# Altium PCB batt_ctrl_pcb_v2.PcbDoc
Units mm, origin at the board's own origin, x right, y up, seen from the top; angles counter-clockwise.
Board outline 70 x 60 mm, 2 copper layers (Top Layer, Bottom Layer); 100 components, 90 nets, 317 pads, 129 vias.
Unrouted connection lines stored in the file: 2.
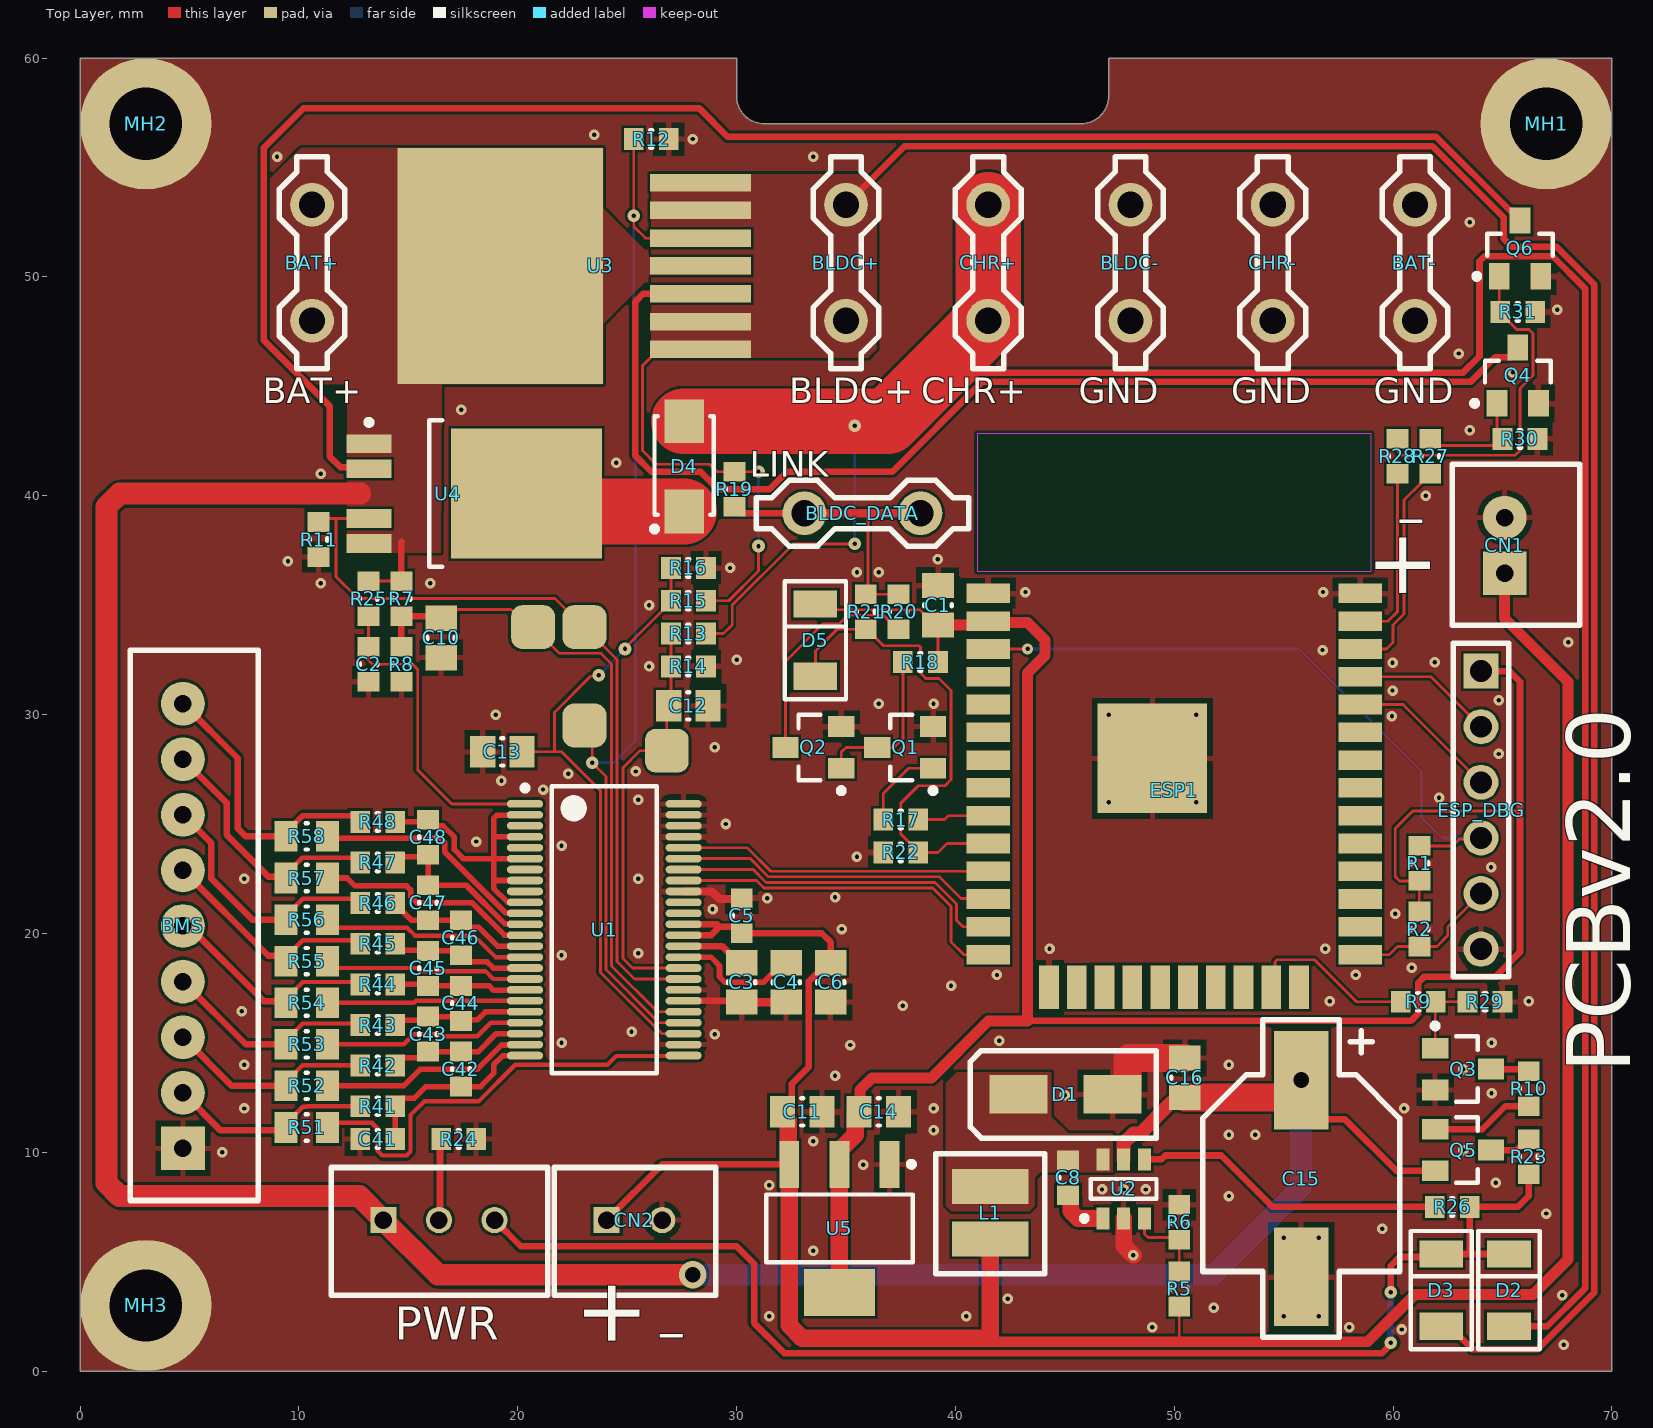
[diagram p0: Top Layer view]
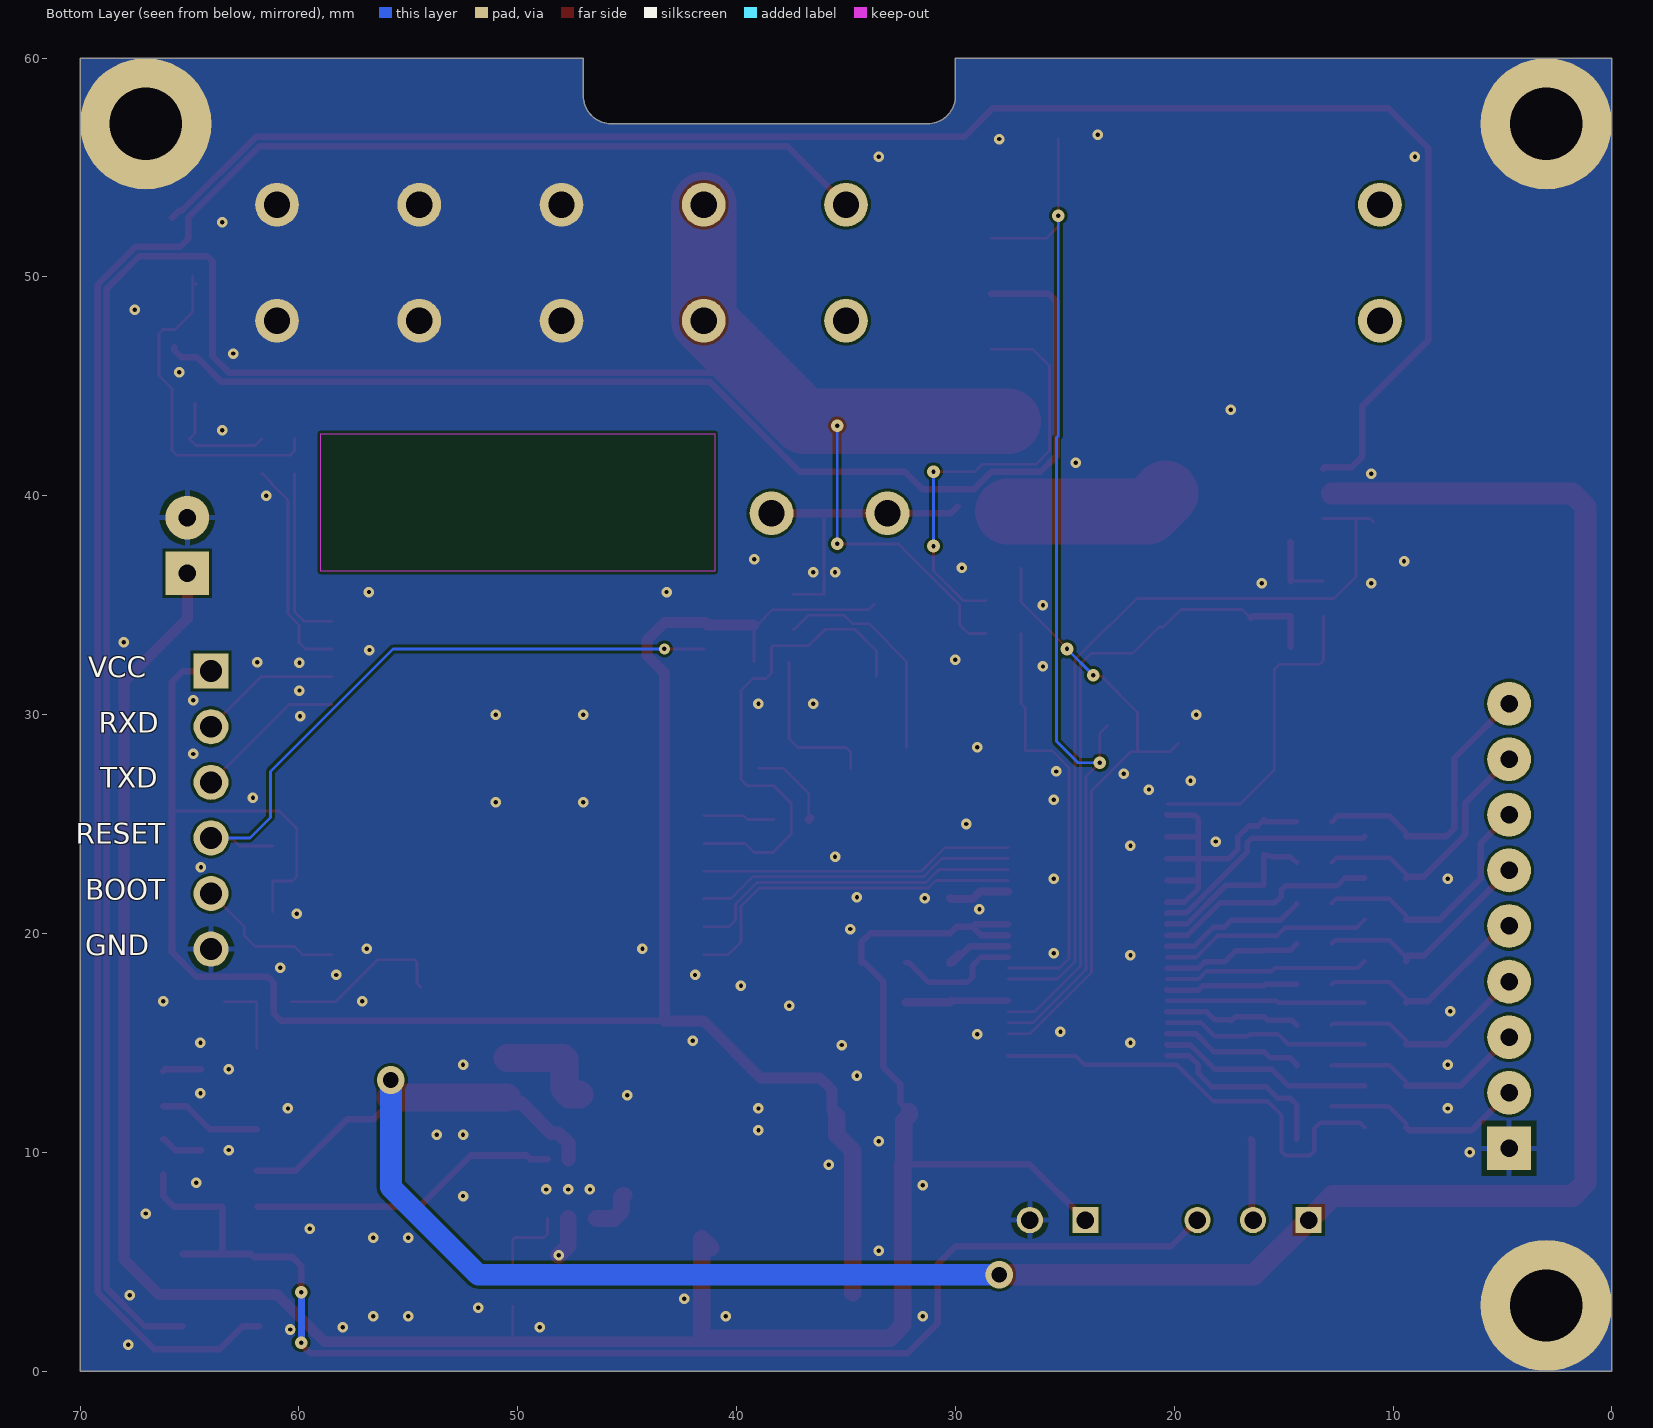
[diagram p1: Bottom Layer view, seen from below]

## Layer stack, top to bottom
Top Solder: solder mask 0.0102, Solder Resist, Dk 3.5
Top Layer: signal copper 0.0356
Dielectric 1: dielectric 0.32, FR-4, Dk 4.8
Bottom Layer: signal copper 0.0356
Bottom Solder: solder mask 0.0102, Solder Resist, Dk 3.5

## Board outline
0,0 0,60 30,60 30,58.27 ccw(c31.27,58.27) 31.27,57 45.73,57 ccw(c45.73,58.27) 47,58.27 47,60 70,60 70,0

## Design rules (kind name [scope] priority, off if disabled: settings)
Clearance [All] p1: gap=0.127 ignorepadtopadclearanceinfootprint=FALSE
DiffPairsRouting [All] p1: maxlimit=0.254 minlimit=0.127 mostfreqgap=0.254 toplayer_minwidth=0.127 toplayer_maxwidth=0.381 toplayer_prefwidth=0.381 bottomlayer_minwidth=0.127 bottomlayer_maxwidth=0.381 bottomlayer_prefwidth=0.381 maxuncoupledlength=12.7
HoleSize [All] p1: absolutevalues=TRUE maxlimit=6.3 minlimit=0.2 maxpercent=80.000 minpercent=20.000
HoleToHoleClearance [All] p1: gap=0.25 allowstackedmicrovias=TRUE
MinimumAnnularRing [All] p1: minimumring=0.13
MinimumSolderMaskSliver [All] p1: minsoldermaskwidth=0.05
PlaneClearance [All] p1: clearance=0.3
PlaneConnect Direct [IsVia] p1: planeconnectstyle=Direct reliefexpansion=0.508 reliefentries=4 reliefconductorwidth=0.254 reliefairgap=0.254
PlaneConnect [All] p2: planeconnectstyle=Relief reliefexpansion=0.508 reliefentries=4 reliefconductorwidth=0.254 reliefairgap=0.254
PolygonConnect DirectPolygonConnect [InNetClass('Direct') or IsVia or (CompParameterValue('ClassName')='DirectGND')] p1: connectstyle=Direct reliefconductorwidth=0.254 reliefentries=4 polygonreliefangle="90 Angle" airgapwidth=0.254
PolygonConnect Mainrule [All] p2: connectstyle=Relief reliefconductorwidth=0.254 reliefentries=4 polygonreliefangle="90 Angle" airgapwidth=0.254
RoutingVias [All] p1: holewidth=0.3 width=0.9 viastyle="Through Hole" minholewidth=0.2 minwidth=0.58 maxholewidth=6.3 maxwidth=8
SilkToSilkClearance [All] p1: silktosilkclearance=0.2
SilkToSolderMaskClearance [IsPad] p1: minsilkscreentomaskgap=0.15 clearancetoexposedcopper=TRUE
SolderMaskExpansion [All] p1: expansion=0.05 istentingtop=FALSE
UnRoutedNet [All] p1: checkbadconnections=TRUE
Width [All] p1: maxlimit=5 minlimit=0.127 preferedwidth=0.3
21 further rules are at their usual default settings.

## Classes and differential pairs
component class interface: BLDC_DATA D5 Q1 Q2 R17 R18 R19 R20 R21 R22
net class Direct: BATT_POS BLDC_POS BS CHR_POS SW
component class U_ME3116_5V: C8 D1 L1 R5 R6 U2
component class Power: BAT+ BAT- BLDC+ BLDC- C1 C10 C11 C12 C13 C14 C15 C16 CHR+ CHR- CN1 CN2 D2 D3 D4 MH1 MH2 MH3 PWR Q3 Q4 Q5 Q6 R7 R8 R9 R10 R11 R12 R13 R14 R15 R16 R23 R24 R25 R26 R27 R28 R29 R30 R31 U3 U4 U5
component class BMS: BMS C2 C3 C4 C5 C6 C41 C42 C43 C44 C45 C46 C47 C48 R41 R42 R43 R44 R45 R46 R47 R48 R51 R52 R53 R54 R55 R56 R57 R58 U1
component class U_ESP32_WROOM2: ESP1 ESP_DBG R1 R2

## Components (designator, comment, footprint, x,y, rotation, side; value= is the part's Value field where it differs from the comment)
BAT+ "Crimp 6.3 single PCB" "Crimp 6.3mm single PCB" 10,45.8 r0 top
BAT- "Crimp 6.3 single PCB" "Crimp 6.3mm single PCB" 61.6,55.5 r180 top
BLDC+ "Crimp 6.3 single PCB" "Crimp 6.3mm single PCB" 34.4,45.8 r0 top
BLDC- "Crimp 6.3 single PCB" "Crimp 6.3mm single PCB" 48.6,55.5 r180 top
BLDC_DATA "Crimp 6.3 single PCB" "Crimp 6.3mm single PCB" 40.6,38.6 r90 top
BMS "PIN HEADER 1x9" "XH2.54 9P" 4.7,10.18 r180 top
C1 "6u8" CAPC0805(2012)75_N 39.2,35 r90 top
C2 "100n" CAPC0603(1608)55_N 13.184,32.3 r270 top
C3 "6u8" CAPC0805(2012)75_N 30.236,17.76 r270 top
C4 "6u8" CAPC0805(2012)75_N 32.268,17.76 r270 top
C5 "100n" CAPC0603(1608)55_N 30.236,20.808 r90 top
C6 "6u8" CAPC0805(2012)75_N 34.3,17.76 r270 top
C8 "100n" CAPC0603(1608)55_N 45.148,8.834 r90 top (schematic designator C1)
C10 "100n" CAPC0805(2012)75_N 16.5,33.5 r270 top
C11 "6u8" CAPC0805(2012)75_N 33,11.85 r0 top
C12 "100n" CAPC0805(2012)75_N 27.8,30.4 r0 top
C13 "100n" CAPC0805(2012)75_N 19.3,28.3 r180 top
C14 "6u8" CAPC0805(2012)75_N 36.5,11.85 r0 top
C15 "220uF 35V" "10X10.5 CAPACITOR" 55.8,13.3 r270 top
C16 "6u8" CAPC0805(2012)75_N 50.482,13.406 r270 top
C41 "100n" CAPC0603(1608)55_N 13.6,10.6 r180 top
C42 "100n" CAPC0603(1608)55_N 17.4,13.8 r270 top
C43 "100n" CAPC0603(1608)55_N 15.9,15.4 r270 top
C44 "100n" CAPC0603(1608)55_N 17.4,16.8 r270 top
C45 "100n" CAPC0603(1608)55_N 15.9,18.4 r270 top
C46 "100n" CAPC0603(1608)55_N 17.4,19.8 r270 top
C47 "100n" CAPC0603(1608)55_N 15.9,21.4 r270 top
C48 "100n" CAPC0603(1608)55_N 15.9,24.4 r270 top
CHR+ "Crimp 6.3 single PCB" "Crimp 6.3mm single PCB" 40.9,45.8 r0 top
CHR- "Crimp 6.3 single PCB" "Crimp 6.3mm single PCB" 55.1,55.5 r180 top
CN1 "PIN HEADER 1x2" "XH2.54 2P"#1 65.1,36.46 r180 top
CN2 "PIN HEADER 1x2" "XH2.54 2P"#2 24.06,6.9 r90 top
D1 "SS14" SMA 47.18,12.644 r180 top
D2 "1N4148" SOD80 65.3,3.7 r90 top
D3 "1N4148" SOD80 62.2,3.7 r90 top
D4 "SS56" SMAG 27.6,39.28 r90 top
D5 "1N4148" SOD80 33.6,33.4 r90 top
ESP1 "ESP32" ESP32-WROOM 41.5,35.54 r0 top locked
ESP_DBG "PIN HEADER 1x6" "PIN HEADER SINGLE 6" 64.018,31.984 r0 top locked
L1 "4u7" CD32 41.592,8.44 r270 top
MH1 "Mounting Hole" MH_M3 67,57 r0 top
MH2 "Mounting Hole" MH_M3 3,57 r0 top
MH3 "Mounting Hole" MH_M3 3,3 r0 top
PWR "PIN HEADER 1x3" "XH2.54 3P" 13.86,6.9 r90 top
Q1 "MMBT3904" SOT23 37.7,28.5 r180 top
Q2 "MMBT3904" SOT23 33.507,28.5 r180 top
Q3 "MMBT3904" SOT23 63.2,13.8 r0 top
Q4 "MMBT3904" SOT23 65.7,45.5 r90 top
Q5 "MMBT3906" SOT23 63.2,10.1 r0 top
Q6 "MMBT3904" SOT23 65.8,51.3 r90 top
R1 "10k" RESC0603(1608)_N 61.2,23.2 r90 top
R2 "1k" RESC0603(1608)_N 61.2,20.2 r270 top
R5 "56k" RESC0603(1608)_N 50.228,3.754 r270 top (schematic designator R1)
R6 "10k" RESC0603(1608)_N 50.228,6.802 r270 top (schematic designator R2)
R7 "100k 1%" RESC0603(1608)_N 14.68,35.3 r90 top
R8 "10k 1%" RESC0603(1608)_N 14.68,32.3 r90 top
R9 "1k" RESC0603(1608)_N 61.15,16.876 r0 top
R10 "10k" RESC0603(1608)_N 66.2,12.9 r90 top
R11 "1k 1%" RESC0603(1608)_N 10.9,38 r90 top
R12 "10k 1%" RESC0603(1608)_N 26.1,56.3 r180 top
R13 "10k 1%" RESC0603(1608)_N 27.8,33.7 r0 top
R14 "1k 1%" RESC0603(1608)_N 27.8,32.2 r180 top
R15 "100k 1%" RESC0603(1608)_N 27.8,35.2 r0 top
R16 "10k 1%" RESC0603(1608)_N 27.8,36.7 r180 top
R17 "1k" RESC0603(1608)_N 37.5,25.2 r180 top
R18 "1k" RESC0603(1608)_N 38.4,32.4 r0 top
R19 "4k7" RESC0603(1608)_N 29.9,40.3 r90 top
R20 "10" RESC0603(1608)_N 37.4,34.7 r90 top
R21 "390k" RESC0603(1608)_N 35.9,34.7 r90 top
R22 "47k" RESC0603(1608)_N 37.5,23.7 r0 top
R23 "1k" RESC0603(1608)_N 66.2,9.8 r90 top
R24 "2k2" RESC0603(1608)_N 17.3,10.6 r0 top
R25 "100" RESC0603(1608)_N 13.184,35.3 r90 top
R26 "1k" RESC0603(1608)_N 62.7,7.5 r0 top
R27 "1k" RESC0603(1608)_N 61.7,41.8 r90 top
R28 "1k" RESC0603(1608)_N 60.2,41.8 r90 top
R29 "1k" RESC0603(1608)_N 64.2,16.876 r180 top
R30 "1k" RESC0603(1608)_N 65.8,42.6 r180 top
R31 "1k" RESC0603(1608)_N 65.7,48.4 r180 top
R41 "10k" RESC0603(1608)_N 13.6,12.1 r0 top
R42 "10k" RESC0603(1608)_N 13.6,13.957 r0 top
R43 "10k" RESC0603(1608)_N 13.6,15.814 r0 top
R44 "10k" RESC0603(1608)_N 13.6,17.671 r0 top
R45 "10k" RESC0603(1608)_N 13.6,19.529 r0 top
R46 "10k" RESC0603(1608)_N 13.6,21.386 r0 top
R47 "10k" RESC0603(1608)_N 13.6,23.243 r0 top
R48 "10k" RESC0603(1608)_N 13.6,25.1 r0 top
R51 "100" RESC0805(2012)_N 10.35,11.132 r0 top
R52 "100" RESC0805(2012)_N 10.35,13.032 r0 top
R53 "100" RESC0805(2012)_N 10.35,14.932 r0 top
R54 "100" RESC0805(2012)_N 10.35,16.832 r0 top
R55 "100" RESC0805(2012)_N 10.35,18.732 r0 top
R56 "100" RESC0805(2012)_N 10.35,20.632 r0 top
R57 "100" RESC0805(2012)_N 10.35,22.532 r0 top
R58 "100" RESC0805(2012)_N 10.35,24.432 r0 top
U1 "LTC6804-2" SSOP48 23.956,20.168 r0 top locked
U2 "ME3116" SOT23-6 47.688,8.326 r90 top
U3 "BTS50085" PG-TO220-7-4 19.2,50.5 r90 top locked
U4 "BTS6143D" ITO252-5-11_M 18,40.1 r0 top locked
U5 "AMS1117-3V3" SOT229P700X180-4N 34.7,6.52 r270 top

## Footprints (in the part's own frame and the unit in brackets; to place one, negate y for a bottom-side part, rotate by r counter-clockwise, add the part's x,y. Pads: shape width x height; smd on the part's side, far side on the other; paste and mask are expansions set on the pad)
"10X10.5 CAPACITOR" [mm]
  rect 4.5x2.5 smd: +(0,0) -(9,0)
  silkscreen extent -2.75,-4.5 11.75,4.5, body extent -0.7,-4.15 9.2,4.15, height 10.2
CAPC0603(1608)55_N [mm] "Chip Capacitor, Body 1.6x0.8mm, Height 0.55mm, IPC Medium Density"
  rect 0.9x1 smd: 1(-0.8,0) 2(0.8,0)
  silkscreen extent -0.05,-0.4 0.05,0.4, body extent -0.87,-0.48 0.88,0.47, height 0.55
CAPC0805(2012)75_N [mm] "Chip Capacitor, Body 2.0x1.2mm, Height 0.75mm, IPC Medium Density"
  rect 1.15x1.45 smd: 1(-0.9,0) 2(0.9,0)
  silkscreen extent -0.05,-0.62 0.05,0.63, body extent -1.1,-0.72 1.1,0.73, height 0.75
CD32 [mm] "SMD inductor"
  rect 1.6x3.5 smd: 1(0,0) 2(2.4,0)
  silkscreen extent -1.5,-2.5 4,2.5, body extent -0.45,-1.5 2.85,1.5, height 2.1
"Crimp 6.3mm single PCB" [mm]
  round 2 hole 1.2: 1(0.6,2.2) 1(0.6,7.5)
  silkscreen extent -0.9,0 2.1,9.7, body extent 0.2,0.8 1,8.8, height 11
ESP32-WROOM [mm] "ESP32-WROOM-32 is a powerful, generic Wi-Fi+BT+BLE MCU module"
  rect 2x0.9 smd: 1(0,0) 2(0,-1.27) 3(0,-2.54) 4(0,-3.81) 5(0,-5.08) 6(0,-6.35) 7(0,-7.62) 8(0,-8.89) 9(0,-10.16) 10(0,-11.43) 11(0,-12.7) 12(0,-13.97) 13(0,-15.24) 14(0,-16.51) 25(17,-16.51) 26(17,-15.24) 27(17,-13.97) 28(17,-12.7) 29(17,-11.43) 30(17,-10.16) 31(17,-8.89) 32(17,-7.62) 33(17,-6.35) 34(17,-5.08) 35(17,-3.81) 36(17,-2.54) 37(17,-1.27) 38(17,0)
  rect 0.9x2 smd: 15(2.775,-18) 16(4.045,-18) 17(5.315,-18) 18(6.585,-18) 19(7.855,-18) 20(9.125,-18) 21(10.395,-18) 22(11.665,-18) 23(12.935,-18) 24(14.205,-18)
  rect 5x5 smd: 39(7.5,-7.54)
  Keep-Out Layer region: -0.5,1 17.5,1 17.5,7.3 -0.5,7.3
  body extent -0.5,-18.05 17.5,7.45, height 2.91
ITO252-5-11_M [mm] "DPAK, 5-Leads, Body 6.5x6.12mm, Pitch 1.14mm, IPC Low Density"
  rect 2.05x0.85 smd: 1(-4.8,2.28) 2(-4.8,1.14) 4(-4.8,-1.14) 5(-4.8,-2.28)
  rect 6.9x5.95 smd: 3(2.4,0)
  silkscreen extent -4.92,-3.35 -1.45,3.38, body extent -4.7,-3.25 5.2,3.25, height 2.3
MH_M3 [mm] "Mount hole M3"
  round 6 hole 3.3: 1(0,0)
PG-TO220-7-4 [mm]
  rect 0.8x4.6 smd: 1(-3.81,-9.15) 2(-2.54,-9.15) 3(-1.27,-9.15) 4(0,-9.15) 5(1.27,-9.15) 6(2.54,-9.15) 7(3.81,-9.15)
  rect 10.8x9.4 smd: 8(0,0)
"PIN HEADER SINGLE 6" [mm]
  rect 1.6x1.6 hole 1: 1(0,0)
  round 1.6 hole 1: 2(0,-2.54) 3(0,-5.08) 4(0,-7.62) 5(0,-10.16) 6(0,-12.7)
  silkscreen extent -1.27,-13.97 1.27,1.27, body extent -1.27,-13.97 1.27,1.27, height 8.19
RESC0603(1608)_N [mm] "Chip Resistor, Body 1.6x0.8mm, IPC Medium Density"
  rect 0.9x1 smd: 1(-0.8,0) 2(0.8,0)
  silkscreen extent -0.05,-0.4 0.05,0.4, body extent -0.85,-0.47 0.85,0.47, height 0.6
RESC0805(2012)_N [mm] "Chip Resistor, Body 2.0x1.3mm, IPC Medium Density"
  rect 1.05x1.4 smd: 1(-0.95,0) 2(0.95,0)
  silkscreen extent -0.05,-0.6 0.05,0.6, body extent -1.1,-0.67 1.1,0.68, height 0.7
SMA [mm] "SMA Diode"
  rect 2.65x1.75 smd: A(0,0) K(4.3,0)
  silkscreen extent -2,-2 6.5,2, body extent -0.53,-1.46 4.75,1.46, height 2.41
SMAG [mm] "Molded Diode, 2-Leads, Body 4,25x2,58mm, IPC Medium Density"
  rect 2x1.8 smd: 1(0,0) 2(4.12,0)
  silkscreen extent -0.92,-1.35 4.35,1.47, body extent -0.15,-1.35 4.35,1.35, height 1.8
SOD80 [mm]
  rect 1.25x2 smd: 1(-1.651,0) 2(1.651,0)
  silkscreen extent -2.7,-1.4 2.7,1.4, body extent -1.84,-0.8 1.86,0.8, height 1.61
SOT23 [mm] "SOT23, 3-Leads, Body 2,90x2,80mm, Pitch 0,95mm, IPC Medium Density"
  rect 1.2x0.95 smd: 1(-1.275,0.95) 2(-1.275,-0.95) 3(1.275,0)
  silkscreen extent -1.4,-1.5 0.67,2.1, body extent -1.13,-1.5 1.13,1.5, height 1.25
SOT23-6 [mm] "SOT23, 6-Leads, Body 2,90x2,80mm, Pitch 0,95mm, IPC Medium Density"
  rect 1x0.6 smd: 1(-1.35,0.95) 2(-1.35,0) 3(-1.35,-0.95) 4(1.35,-0.95) 5(1.35,0) 6(1.35,0.95)
  silkscreen extent -1.47,-1.5 0.45,1.92, body extent -1.4,-1.45 1.4,1.45, height 1.45
SOT229P700X180-4N [mm] "SOT223, 4-Leads, Body 6,50x7,00mm (avg), Pitch 2,29mm, IPC Medium Density"
  rect 2.15x0.9 smd: 1(-2.93,2.29) 2(-2.93,0) 3(-2.93,-2.29)
  rect 2.15x3.25 smd: 4(2.93,0)
  silkscreen extent -3.05,-3.35 1.55,3.42, body extent -3.54,-3.25 3.54,3.25, height 1.65
SSOP48 [mm] "48-Lead Plastic SSOP (5.3mm)"
  oval 1.65x0.35 smd: 1(-3.625,5.75) 2(-3.625,5.25) 3(-3.625,4.75) 4(-3.625,4.25) 5(-3.625,3.75) 6(-3.625,3.25) 7(-3.625,2.75) 8(-3.625,2.25) 9(-3.625,1.75) 10(-3.625,1.25) 11(-3.625,0.75) 12(-3.625,0.25) 13(-3.625,-0.25) 14(-3.625,-0.75) 15(-3.625,-1.25) 16(-3.625,-1.75) 17(-3.625,-2.25) 18(-3.625,-2.75) 19(-3.625,-3.25) 20(-3.625,-3.75) 21(-3.625,-4.25) 22(-3.625,-4.75) 23(-3.625,-5.25) 24(-3.625,-5.75) 25(3.625,-5.75) 26(3.625,-5.25) 27(3.625,-4.75) 28(3.625,-4.25) 29(3.625,-3.75) 30(3.625,-3.25) 31(3.625,-2.75) 32(3.625,-2.25) 33(3.625,-1.75) 34(3.625,-1.25) 35(3.625,-0.75) 36(3.625,-0.25) 37(3.625,0.25) 38(3.625,0.75) 39(3.625,1.25) 40(3.625,1.75) 41(3.625,2.25) 42(3.625,2.75) 43(3.625,3.25) 44(3.625,3.75) 45(3.625,4.25) 46(3.625,4.75) 47(3.625,5.25) 48(3.625,5.75)
  silkscreen extent -3.75,-6.55 2.4,6.6, body extent -3.9,-6.55 3.9,6.55, height 2
"XH2.54 2P"#1 [mm]
  rect 2x2 hole 0.8: 1(0,0)
  round 2 hole 0.8: 2(0,-2.54)
  silkscreen extent -3.44,-4.98 2.4,2.39, body extent -3.35,-4.88 2.49,2.34, height 7.21
"XH2.54 2P"#2 [mm]
  rect 1.2x1.2 hole 0.8: 1(0,0)
  round 1.2 hole 0.8: 2(0,-2.54)
  silkscreen extent -3.44,-4.98 2.4,2.39, body extent -3.35,-4.88 2.49,2.34, height 7.21
"XH2.54 3P" [mm]
  rect 1.2x1.2 hole 0.8: 1(0,0)
  round 1.2 hole 0.8: 2(0,-2.54) 3(0,-5.08)
  silkscreen extent -3.44,-7.52 2.4,2.39, body extent -3.35,-7.42 2.49,2.34, height 7.21
"XH2.54 9P" [mm]
  rect 2x2 hole 0.8: 1(0,0)
  round 2 hole 0.8: 2(0,-2.54) 3(0,-5.08) 4(0,-7.62) 5(0,-10.16) 6(0,-12.7) 7(0,-15.24) 8(0,-17.78) 9(0,-20.32)
  silkscreen extent -3.44,-22.76 2.4,2.39, body extent -3.35,-22.66 2.49,2.34, height 7.21

## Part data
BAT+ BAT- BLDC+ BLDC- BLDC_DATA CHR+ CHR-: "Straight Mount Angle PCB Tab Terminal"
  BAT- BLDC- CHR-: ClassName=DirectGND
BMS: library part "PIN HEADER 2.54 1x9"
C1 C2 C3 C4 C5 C6 C8 C10 C11 C12 C13 C14 C16 C41 C42 C43 C44 C45 C46 C47 C48: library part "Capacitor M", "Ceramic capacitor Medium density"
C15: library part "Capacitor Electrolitic", "Capacitor Electrolitic"
CN1 CN2: library part "PIN HEADER 2.54 1x2", "LIGHT_5V", Parameter 1=LIGHT_5V
D1: "Surface Mount Schottky Barrier Rectifier", Supplier Part Number 1=05R5585, If (av)=1.0A, Ifsm=40A, Supplier 1=Newark, Vf="0.5 ~ 0.75V", Vrrm=40V
D2 D3 D5: "Small Signal Fast Switching Diodes", Average forward current="150 mA", Diode capacitance="4 pF", Forward continuous current="300 mA", Peak forward surge current="2 A", Repetitive peak forward current="500 mA", Repetitive peak reverse voltage="100 V", Reverse voltage="75 V", Supplier Part Number 1=78-MCL4148, Reverse recovery time="4 ~ 8 ns", Supplier 1=Mouser
D4: "Surface Mount Schottky Barrier Rectifier", If (av)=5.0A, Ifsm=150A, Vrrm=42V
ESP1: library part ESP32S, "ESP32-WROOM-32 is a powerful, generic Wi-Fi+BT+BLE MCU module"
ESP_DBG: library part "PIN HEADER 2.54 1x6"
L1: library part Inductor
PWR: library part "PIN HEADER 2.54 1x3"
Q1 Q2 Q3 Q4 Q6: library part 2N3904, "NPN General Purpose Transistor", Collector Current - Continuous=200mA, Collector-Base Voltage=60V, Collector-Emitter Voltage=40V, DC Current Gain=300
Q5: library part 2N3906, "PNP General Purpose Transistor", Collector Current - Continuous=200mA, Collector-Base Voltage=-60V, Collector-Emitter Voltage=-40V, DC Current Gain=300
R1 R2 R5 R6 R7 R8 R9 R10 R11 R12 R13 R14 R15 R16 R17 R18 R19 R20 R21 R22 R23 R24 R25 R26 R27 R28 R29 R30 R31 R41 R42 R43 R44 R45 R46 R47 R48 R51 R52 R53 R54 R55 R56 R57 R58: library part "Resistor M", "Resistor Medium Density"
U1: "The LTC®6804 is a 3rd generation multicell battery stack / monitor that measures up to 12 series connected battery / cells with a total measurement error of less than 1.2mV. The / cell measurement range of 0V to 5V makes the LTC6804 / suitable for most battery chemistries. All 12 cell voltages / can be captured in 290µs, and lower data acquisition rates / can be selected for high noise reduction."
U2: "The ME3116 is PWM DC/DC buck (step-down) regulators.", Frequency=550kHz, FB=0.8V, V in max=45V
U3: library part BTS50085-1TMA, "Smart Highside High Current Power Switch", Current sense ratio=13000, Load current (ISO)=44A, On-state resistance="9 mOhm", Operating voltage="5.0 .. 58V", Overvoltage protection=70V, Short circuit current limitation=90A, Output clamp=62V
U4: "PROFET Smart Highside Power Switch, 1 Channel, 10 A Load Current, -40 to 150 degC, PG-TO252-5-11, Reel, Green", Load Current (typ)="10 A", Manufacturer=Infineon, Recommended Operating Voltage Max.="38 V", Recommended Operating Voltage Min.="5.5 V", Channels=1, ComponentLink1Description="Manufacturer URL", ComponentLink1URL=http://www.infineon.com/, ComponentLink2Description=Datasheet, ComponentLink2URL=http://www.infineon.com/dgdl/BTS6143D_DS_v10.pdf?folderId=db3a304314dca389011537739e37155f&fileId=db3a3043183a95550118606a2705368e&location=en.Products.Automotive_ICs.Smart_High-_and_Low-Side_Switches.PROFET__-_Smart_High_Side_Switches.DATASHEET.BTS6143D_D, ComponentLink3Description="Package Specification", ComponentLink3URL=http://www.infineon.com/dgdl/TLE7276-Data+Sheet-+v1_11.pdf?folderId=db3a304412b407950112b408e8c90004&fileId=db3a304412b407950112b436c53f66c8&sId=db3a30433db6f09f013dc0e43c0428c1, DatasheetVersion="Rev. 1.0", Green=TRUE, Group="Automotive Qualified", Halogen-free=TRUE, Mounting Technology="Surface Mount", PackageDescription="5-Pin Plastic (Green) Transistor Single Outline Package, 6.5 x 6.12 mm Body, 1.14 mm Pitch", PackageReference=PG-TO252-5-11, PackageVersion=Nov-10, Packing=Reel, PartNumber=BTS6143D, Ptot (max)="59 W", RON @ 25degreesC="10 mOhm", RON(max) @ 150degreesC="18 mOhm", toff (max)="500 us", ton (max)="500 us"
U5: library part AMS1117, "800mA LDO  15V max"
MH1 MH2 MH3: ClassName=DirectGND

## Free pads (board coordinates)
  rrect50% 2x2 smd: ""(20.7,34) ""(23.05,29.5) ""(23.05,34) ""(26.813,28.35)

## Via types
v1: diameter 0.48, hole 0.2, Top Layer to Bottom Layer, 116 vias
v2: diameter 0.58, hole 0.2, Top Layer to Bottom Layer, 10 vias
v3: diameter 1.27, hole 0.711, Top Layer to Bottom Layer, 2 vias
v4: diameter 0.5, hole 0.2, Top Layer to Bottom Layer, 1 vias

## Nets (pads, with @x,y where several pads share a name; then routed paths per layer and width w, separated by ;. In a path a pad name is that pad's centre, name@x,y a point inside that pad or via, vN(x,y) a via of type N, cw(c..) or ccw(c..) an arc to the next point about the centre after c; other vN are vias at no path point)
+5V: C5.1 C6.1 C11.1 CN1.1 CN2.1 L1.2 R5.2 U1.36 U1.37 U5.3 | length 113.7
  Top Layer w0.127: 50.221,1.339 50.228,1.339 R5.2
  Top Layer w0.3: U1.36 28.837,19.918 29.219,20.301
  Top Layer w0.305: CN2.1 26.61,9.45 U5.3 ; U1.37 29.102,20.418 29.219,20.301 29.943,20.301 C5.1 33.892,20.008 34.3,19.6 C6.1 34.15,18.66 33.296,17.806 33.296,13.896 32.523,13.123 32.523,12.272 C11.1
  Top Layer w0.5: 41.592,1.489 41.592,1.339 50.221,1.339 ; 50.228,1.339 58.839,1.339 61,3.5 66.4,3.5 68,5.1 68,31.5 65.1,34.4 CN1.1
  Top Layer w0.8: C11.1 32.1,11.7 32.36,11.44 32.36,9.5 U5.3 32.41,2.09 33.011,1.489 41.592,1.489 L1.2 L1.2@41.192,5.64
AN0: ESP1.4
AN1: ESP1.5
BALLANCE_IN1: R51.2 U1.25 | length 20.5
  Top Layer w0.2: R51.2 11.518,11.35 13.325,11.35 13.6,11.075 13.6,10.057 13.807,9.85 14.921,9.85 15.1,10.029 15.1,11.7 15.723,12.323 18.211,12.323 19.888,14 24.1,14 24.5,14.4 27.563,14.4 U1.25
BALLANCE_IN2: R52.2 U1.23 | length 9.8
  Top Layer w0.254: R52.2 14.784,13.032 15.552,13.8 18.161,13.8 19.261,14.9 20.313,14.9 U1.23
BALLANCE_IN3: R53.2 U1.21 | length 9.5
  Top Layer w0.2: R53.2 14.789,14.932 15.257,15.4 16.55,15.4 16.65,15.3 18.15,15.3 18.768,15.918 U1.21
BALLANCE_IN4: R54.2 U1.19 | length 9.1
  Top Layer w0.2: R54.2 15.261,16.832 15.347,16.918 U1.19
BALLANCE_IN5: R55.2 U1.17 | length 9.4
  Top Layer w0.2: R55.2 11.611,18.421 15.408,18.421 15.552,18.277 18.523,18.277 18.882,17.918 U1.17
BALLANCE_IN6: R56.2 U1.15 | length 9.7
  Top Layer w0.2: R56.2 11.677,20.256 14.944,20.256 15.3,19.9 18,19.9 18.982,18.918 U1.15
BALLANCE_IN7: R57.2 U1.13 | length 10.3
  Top Layer w0.254: R57.2 12.201,22.532 12.561,22.173 14.922,22.173 15.108,21.987 15.108,21.682 15.391,21.4 17.909,21.4 19.391,19.918 U1.13
BALLANCE_IN8: R58.2 U1.11 | length 10.7
  Top Layer w0.254: R58.2 11.386,24.346 16.463,24.346 16.654,24.155 16.654,23.733 19.45,20.936 20.313,20.936 U1.11
BAT_SUP: C2.1 R25.1 U1.1 | length 14.5
  Top Layer w0.127: C2.1 13.184,32.479 13.363,32.3 15.196,32.3 15.43,32.066 15.43,27.47 16.982,25.918 U1.1 ; C2.1@13.184,33.184 R25.1
BATT_MEAS: C10.1 pad.@20.7,34 R7.1 R8.2 U1.29 | length 30.2
  Top Layer w0.127: C10.1 16.9,34.8 19.689,34.8 20.489,34 20.7,34 21.9,32.8 23.8,32.8 24.286,32.314 24.286,18.514 26.382,16.418 U1.29
  Top Layer w0.3: R8.2 R7.1 16.4,34.5 C10.1
BATT_POS: BAT+.1 C15.+ C16.2 PWR.1 Q5.2 R7.2 R25.2 U2.5 U3.4 U3.8 U4.1 U4.5 | length 127.2
  Top Layer w0.127: R25.2 R7.2
  Top Layer w0.3: R7.2 14.68,37.88 14.7,37.9 ; 52.137,12.506 52.2,12.443 ; v3(55.8,13.3) 55.8,12.506 55.8,12.3 56.6,11.5 57.8,11.5 60.15,9.15 Q5.2
  Top Layer w0.5: 53.584,12.506 53.6,12.49
  Top Layer w0.635: U2.5 47.688,10.42 48.134,10.866 48.45,10.866 49.832,12.248 50.225,12.248 C16.2
  Top Layer w1: 12.8,40.1 1.8,40.1 1.2,39.5 1.2,8.6 1.8,8 12.76,8 PWR.1 16.36,4.4 v3(28,4.4)
  Top Layer w1.27: C16.2 52.137,12.506 53.584,12.506 55.8,12.506 C15.+@55.81,12.506
  Bottom Layer w1: v3(28,4.4) 51.8,4.4 55.8,8.4 v3(55.8,13.3)
BLDC_EN: ESP1.36 R27.1 | length 10.1
  Top Layer w0.127: ESP1.36 59.7,33 60,33.3 60,34.1 60.5,34.6 60.5,39.8 61.263,40.564 61.263,40.614 61.65,41 R27.1
BLDC_I_MEAS: pad.@23.05,29.5 R12.2 U1.28 U3.5 | length 49.8
  Top Layer w0.127: pad.@23.05,29.5 23.4,29.15 v2(23.4,27.8) 24.032,27.168 24.032,18.343 26.457,15.918 U1.28 ; R12.2 v2(25.3,52.796) 25.3,52.3 25.83,51.77 U3.5
  Bottom Layer w0.127: v2(23.4,27.8) 24.4,27.8 25.381,28.78 25.381,42.654 25.3,42.734 v2(25.3,52.796)
BLDC_MEAS: C13.1 R15.1 R16.2 U1.27 | length 28.9
  Top Layer w0.127: C13.1@19.809,28.691 C13.1 21.677,28.3 ; v2(23.7,31.8) 23.65,31.75 23.324,31.75 21.677,30.104 21.677,28.3 ; v2(24.9,33) 24.9,33.05 27,35.15 R15.1 R16.2 ; U1.27 26.582,15.418 23.778,18.222 23.778,26.522 22,28.3 21.677,28.3
  Bottom Layer w0.127: v2(23.7,31.8) v2(24.9,33)
BLDC_POS: BLDC+.1 D3.1 R15.2 R19.2 U3.1 U3.2 U3.6 U3.7 | length 113.9
  Top Layer w0.127: U3.1 26.45,46.69 25.7,45.94 25.7,42.061 26.321,41.44 28.76,41.44 29.1,41.1 R19.2 v2(31,41.1) ; R15.2 29.641,35.2 31,36.559 v2(31,37.7)
  Top Layer w0.3: BLDC+.1@35,53.3 37.673,55.973 61.798,55.973 65.048,52.723 65.048,51.752 65.423,51.377 67.469,51.377 69.2,49.646 69.2,3.6 66.6,1 63.624,1 62.575,2.049 D3.1 D3.1@61.825,2.049
  Top Layer w0.381: BLDC+.1@35,47.462 BLDC+.1@35,47.9
  Bottom Layer w0.127: v2(31,37.7) v2(31,41.1)
BOOT: ESP1.25 ESP_DBG.5 R2.2 | length 6.9
  Top Layer w0.127: ESP1.25 59.83,19.03 60.2,19.4 R2.2 62,19.4 62.494,19.894 62.494,20.3 ESP_DBG.5
BS: C8.1 U2.1 | length 2.1
  Top Layer w0.762: C8.1 45.198,8.034 45.267,7.965 45.267,7.303 45.594,6.976 46.418,6.976
C1: BMS.2 R41.1 R51.1 | length 9.4
  Top Layer w0.2: R51.1 9.4,11.307 10.175,12.082 10.35,12.082 10.368,12.1 R41.1
  Top Layer w0.3: BMS.2 6.42,11 9.268,11 R51.1
C2: BMS.3 R42.1 R52.1 | length 9.5
  Top Layer w0.2: R52.1 9.4,13.207 10.175,13.982 12.775,13.982 R42.1
  Top Layer w0.3: BMS.3 6.928,13.032 R52.1
C3: BMS.4 R43.1 R53.1 | length 9.8
  Top Layer w0.2: R53.1 9.4,15.107 10.175,15.882 12.732,15.882 R43.1
  Top Layer w0.3: BMS.4 7.568,14.932 R53.1
C4: BMS.5 R44.1 R54.1 | length 10.1
  Top Layer w0.2: R54.1 9.4,17.007 10.175,17.782 12.689,17.782 R44.1
  Top Layer w0.3: BMS.5 4.96,20.34 8.4,16.9 9.332,16.9 R54.1
C5: BMS.6 R45.1 R55.1 | length 10.3
  Top Layer w0.2: R55.1@9.4,18.907 10.175,19.682 12.646,19.682 R45.1
  Top Layer w0.3: BMS.6 8.601,18.979 9.328,18.979 9.4,18.907 R55.1
C6: BMS.7 R46.1 R56.1 | length 11.6
  Top Layer w0.2: R56.1 9.4,20.807 10.175,21.582 12.604,21.582 R46.1
  Top Layer w0.3: BMS.7 6,24.12 6,22.5 7.868,20.632 R56.1
C7: BMS.8 R47.1 R57.1 | length 11.8
  Top Layer w0.2: R57.1 9.4,22.707 10.152,23.459 12.584,23.459 R47.1
  Top Layer w0.3: BMS.8 6.7,25.96 6.7,24.5 8.601,22.599 9.333,22.599 R57.1
C8: BMS.9 R48.1 R58.1 | length 13.1
  Top Layer w0.254: R58.1 9.4,24.607 10.175,25.382 10.35,25.382 10.354,25.386 12.514,25.386 R48.1
  Top Layer w0.3: BMS.9 7.2,28 7.2,24.8 7.568,24.432 R58.1
CELL_INPUT1: C41.1 C42.2 R41.2 U1.24 | length 8.7
  Top Layer w0.254: C41.1 R41.2 14.4,12.15 14.723,12.473 15.273,12.473 15.8,13 C42.2 18.3,13 18.9,13.6 18.9,14 19.318,14.418 U1.24
CELL_INPUT2: C42.1 C43.2 R42.2 U1.22 | length 6.6
  Top Layer w0.254: R42.2 14.4,13.997 14.723,14.32 15.62,14.32 C43.2 C42.1 18.2,14.6 19.018,15.418 U1.22
CELL_INPUT3: C43.1 C44.2 R43.2 U1.20 | length 6.3
  Top Layer w0.254: R43.2 14.61,16.024 15.724,16.024 C43.1 17.2,16.2 C44.2 17.452,16.052 18.15,16.052 18.516,16.418 U1.20
CELL_INPUT4: C44.1 C45.2 R44.2 U1.18 | length 6.1
  Top Layer w0.254: R44.2 15.829,17.671 C45.2 C44.1 18.7,17.6 18.9,17.4 20.313,17.4 U1.18
CELL_INPUT5: C45.1 C46.2 R45.2 U1.16 | length 6.4
  Top Layer w0.254: R45.2 14.7,19.228 15.871,19.228 C45.1 17.2,19.2 17.7,18.7 18.601,18.7 18.883,18.418 U1.16
CELL_INPUT6: C46.1 C47.2 R46.2 U1.14 | length 6.8
  Top Layer w0.254: R46.2 14.4,21.336 15.136,20.6 C47.2 C46.1 17.723,20.277 18.223,20.277 19.082,19.418 U1.14
CELL_INPUT7: C47.1 C48.2 R47.2 U1.12 | length 8.2
  Top Layer w0.254: R47.2 14.723,23.511 15.527,23.511 C48.2 C47.1 17.648,22.2 19.412,20.436 20.313,20.436 U1.12
CELL_INPUT8: C48.1 R48.2 U1.2 U1.4 U1.6 U1.8 U1.10 | length 16.3
  Top Layer w0.254: R48.2 15.8,25.1 C48.1 16.19,24.91 16.59,24.91 17.1,24.4 17.1,23.826 17.508,23.418 18.9,23.418 ; U1.10 20.313,21.436 19.522,21.436 18.9,22.059 18.9,22.418 ; U1.8 18.9,22.418 ; U1.6 18.9,23.418 ; U1.4 18.9,24.418 ; U1.2 20.313,25.4 19.049,25.4 18.9,25.251 18.9,24.418 ; 18.9,22.418 18.9,23.418 ; 18.9,23.418 18.9,24.418
CHR_EN: ESP1.37 R28.1 | length 8.2
  Top Layer w0.127: ESP1.37 59.77,34.27 60.2,34.7 R28.1
CHR_I_MEAS: pad.@23.05,34 R11.2 U1.32 U4.4 | length 36.6
  Top Layer w0.127: R11.2 11.06,38.96 11.7,38.96 ; U4.4 11.7,38.96 ; U1.32 25.332,17.918 24.54,18.71 24.54,32.51 22.984,34.066 22.934,34.066 21.7,35.3 12.7,35.3 11.7,36.3 11.7,38.96
CHR_MEAS: C12.1 pad.@26.813,28.35 R13.1 R14.2 U1.33 | length 19.3
  Top Layer w0.127: C12.1 26.813,30.313 26.813,28.35 25.587,28.35 24.808,27.571 24.808,18.852 25.242,18.418 U1.33
  Top Layer w0.15: C12.1@27,30.5 R14.2 R13.1
CHR_POS: CHR+.1 D2.1 D4.2 R13.2 | length 119.8
  Top Layer w0.127: R13.2 29.4,33.7 29.8,34.1 29.8,35 32.6,37.8 v2(35.4,37.8)
  Top Layer w0.3: 40.157,46.657 41.187,45.627 63.2,45.627 63.95,46.377 63.95,50.716 64.183,50.95 67.292,50.95 68.773,49.469 68.773,3.777 67.045,2.049 D2.1
  Top Layer w3: D4.2 36.9,43.4 40.157,46.657 41.5,48 CHR+.1@41.5,53.3
  Bottom Layer w0.127: v2(35.4,37.8) v2(35.4,43.2)
COM_EN: D2.2 D3.2 PWR.3 R23.1 R26.2 | length 60.6
  Top Layer w0.3: PWR.3 20.14,5.7 30,5.7 30.8,4.9 30.8,2.2 32.188,0.812 59.488,0.812 59.9,1.224 v2(59.9,1.3) ; v2(59.9,3.6) 59.9,4.814 60.3,5.214 62.063,5.214 D3.2 63.6,5.351 ; D2.2 63.6,5.351 ; R23.1 66.2,8 65.7,7.5 R26.2 63.5,5.451 63.6,5.351
  Bottom Layer w0.3: v2(59.9,1.3) 59.883,1.317 59.883,3.583 v2(59.9,3.6)
DATABUS: BLDC_DATA.1 R19.1 R20.2 R21.2 | length 13.7
  Top Layer w0.127: 36.009,39.2 36,39.191 36,35.5 R20.2
  Top Layer w0.3: R19.1 30.2,39.2 BLDC_DATA.1@33.1,39.2
  Top Layer w0.381: BLDC_DATA.1@33.1,39.2 36.009,39.2 BLDC_DATA.1@38.4,39.2
DCDC_EN: ESP1.23 R9.1 | length 7.8
  Top Layer w0.127: ESP1.23 54.6,17.705 54.6,18.7 54.7,18.8 56.4,18.8 58.324,16.876 R9.1
DTR: ESP1.3 ESP_DBG.4 R1.2 | length 30.3
  Top Layer w0.127: ESP1.3 v4(43.3,33) ; R1.2 62.714,24 63.027,24.314 63.968,24.314 ESP_DBG.4
  Bottom Layer w0.127: v4(43.3,33) 55.7,33 61.3,27.4 61.3,25.3 62.236,24.364 ESP_DBG.4
EN: R26.1 U2.4 | length 14.3
  Top Layer w0.3: U2.4 49.421,9.676 49.595,9.85 50.228,9.85 52.148,9.85 54.498,7.5 R26.1
FB: R5.1 R6.2 U2.3 | length 3.9
  Top Layer w0.127: U2.3 48.638,6.262 48.8,6.1 50.13,6.1 R6.2 R5.1
GND: BAT-.1 BLDC-.1 BMS.1 C1.2 C2.2 C3.2 C4.2 C5.2 C6.2 C10.2 C11.2 C12.2 C13.2 C14.2 C15.- C16.1 C41.2 CHR-.1 CN1.2 CN2.2 D1.A ESP1.1 ESP1.15 ESP1.38 ESP1.39 ESP_DBG.6 MH1.1 MH2.1 MH3.1 Q1.2 Q2.2 Q3.2 Q4.2 Q6.2 R6.1 R8.1 R11.1 R12.1 R14.1 R16.1 R22.1 R24.2 R29.1 R30.1 R31.1 U1.26 U1.30 U1.31 U1.40 U1.45 U1.46 U1.47 U1.48 U2.2 U5.1 | length 14.2
  Top Layer w0.3: U1.30 C3.2@30.178,16.918
  Top Layer w0.381: U1.40 28.872,21.918 29.22,21.57 30.198,21.57 C5.2 ; C3.2@30.178,16.918 C3.2 C4.2
  Top Layer w0.762: U2.2 47.688,5.735 v1(48.134,5.289)
  Top Layer w1.27: D1.A 47.63,12.644 47.87,12.884 47.87,14.252 47.924,14.306 C16.1
  other v1: 67.8,1.2 60.4,1.9 49,2 58,2 31.5,2.5 40.5,2.5 55,2.5 56.6,2.5 51.8,2.9 42.4,3.3 67.732,3.468 33.5,5.5 55,6.1 56.6,6.1 59.5,6.5 67,7.2 52.5,8 46.7,8.3 47.7,8.3 48.7,8.3 31.5,8.5 64.7,8.6 35.797,9.426 6.5,10 63.2,10.1 33.5,10.5 52.5,10.8 53.7,10.8 39,11 7.5,12 39,12 60.5,12 45,12.6 64.5,12.7 34.5,13.5 63.2,13.8 7.5,14 52.5,14 35.2,14.9 22,15 64.5,15 42,15.1 29,15.4 25.2,15.5 7.386,16.443 37.6,16.7 57.1,16.9 66.2,16.9 39.8,17.6 41.9,18.1 58.3,18.1 60.85,18.425 22,19 25.5,19.1 44.3,19.3 56.9,19.3 34.8,20.2 60.1,20.9 28.9,21.1 31.4,21.6 34.5,21.648 7.5,22.5 25.5,22.5 64.475,23.025 35.5,23.5 22,24 18.1,24.2 29.5,25 47,26 51,26 25.5,26.1 62.1,26.2 21.154,26.576 19.256,26.968 22.3,27.3 25.4,27.4 64.825,28.2 29,28.5 59.95,29.925 19,30 47,30 51,30 36.5,30.5 39,30.5 64.825,30.65 59.975,31.1 26,32.2 59.975,32.375 61.9,32.4 30,32.5 56.775,32.95 68,33.3 26,35 43.2,35.6 56.8,35.6 11,36 16,36 35.5,36.5 36.5,36.5 29.7,36.7 9.5,37 39.2,37.1 61.5,40 11,41 24.5,41.5 63.5,43 17.411,43.925 65.468,45.645 63,46.5 67.5,48.5 63.5,52.5 9,55.5 33.5,55.5 28,56.3 23.5,56.5
I34: ESP1.6
I35: ESP1.7
IO2: ESP1.24
IO4: ESP1.26
IO5: ESP1.29
IO6: ESP1.20
IO7: ESP1.21
IO8: ESP1.22
IO9: ESP1.17
IO10: ESP1.18
IO11: ESP1.19
IO13: ESP1.16
IO16: ESP1.27
IO17: ESP1.28
IO18: ESP1.30
IO19: ESP1.31
IO21: ESP1.33
IO32: ESP1.8
NetD4_1: D4.1 U4.3 | length 7.5
  Top Layer w3: U4.3 21.22,39.28 D4.1
NetPWR_2: PWR.2 R24.1 | length 3.7
  Top Layer w0.305: PWR.2 16.45,6.95 16.45,10.55 R24.1
NetQ3_1: Q3.1 R9.2 R29.2 | length 3.6
  Top Layer w0.127: Q3.1 61.925,16.851 R9.2 R29.2
NetQ3_3: Q3.3 R10.2 | length 1.8
  Top Layer w0.3: Q3.3 66.1,13.8 R10.2
NetQ4_1: Q4.1 R27.2 R30.2 | length 5.2
  Top Layer w0.127: R27.2 62,42.3 64.7,42.3 R30.2 ; Q4.1 64.75,42.85 R30.2@64.975,42.625
NetQ4_3: Q4.3 U3.3 | length 53.9
  Top Layer w0.3: U3.3 25.73,49.23 25.359,48.86 25.359,41.841 26.1,41.1 28.35,41.1 29.15,40.3 31.5,40.3 32.3,41.1 37.119,41.1 41.219,45.2 63.538,45.2 64.662,46.325 65.375,46.325 65.7,46.65 Q4.3
NetQ5_1: Q5.1 R10.1 | length 4.7
  Top Layer w0.3: Q5.1 64.073,11.05 65.123,12.1 R10.1
NetQ5_3: Q5.3 R23.2 | length 1.9
  Top Layer w0.3: Q5.3 65.65,10.1 66.15,10.6 R23.2
NetQ6_1: Q6.1 R28.2 R31.2 | length 15.6
  Top Layer w0.127: R28.2 60.2,42.045 60.395,41.85 65.372,41.85 65.574,41.85 65.8,42.076 65.8,44.9 66.4,45.5 66.4,47.419 66.219,47.6 65.65,47.6 64.9,48.35 R31.2 64.85,48.45 Q6.1 ; Q6.1@64.7,49.625 Q6.1@64.7,49.7
NetQ6_3: Q6.3 U4.2 | length 77.6
  Top Layer w0.3: U4.2 13.141,41.299 11.901,41.299 11.4,41.8 11.4,44.1 8.4,47.1 8.4,55.9 10.2,57.7 28.3,57.7 29.6,56.4 61.975,56.4 65.35,53.025 65.475,53.025 Q6.3@65.8,52.7
RX: D5.1 ESP1.10 R21.1 R22.2 | length 22.4
  Top Layer w0.127: D5.1 33.6,32.9 34.6,33.9 R21.1 35.95,33.9 36.7,33.15 38.326,33.15 38.4,33.076 38.4,31.898 38.648,31.65 39.25,31.65 39.8,31.1 39.8,27.026 39.524,26.75 38.302,26.75 37.5,25.948 37.5,24.55 38.3,23.75 R22.2 39.2,23.7 39.61,24.11 ESP1.10
RXD: ESP1.35 ESP_DBG.2 | length 6.5
  Top Layer w0.127: ESP1.35 61.732,31.73 ESP_DBG.2
SPI_CS0: ESP1.14 U1.41 | length 16.3
  Top Layer w0.127: U1.41 30.904,22.418 31.244,22.078 38.963,22.078 39.8,21.241 39.8,19.611 40.381,19.03 ESP1.14
SPI_MISO: ESP1.11 U1.44 | length 14.4
  Top Layer w0.127: U1.44 30.482,23.918 31.56,22.84 ESP1.11
SPI_MOSI: ESP1.12 U1.43 | length 14.7
  Top Layer w0.127: U1.43 30.623,23.418 31.455,22.586 39.27,22.586 40.256,21.6 41.47,21.6 ESP1.12
SPI_MSCK: ESP1.13 U1.42 | length 15.4
  Top Layer w0.127: U1.42 30.764,22.918 31.35,22.332 39.068,22.332 40.054,21.346 40.054,20.604 40.358,20.3 ESP1.13
SW: C8.2 D1.K L1.1 U2.6
T\X\: Q1.3 Q2.1 R18.1 | length 7.3
  Top Layer w0.127: Q2.1 34.782,28.282 35,28.5 Q1.3 37.2,28.5 37.6,28.9 R18.1
T\X\C: Q2.3 R20.1 | length 10.2
  Top Layer w0.127: Q2.3 32.232,32.432 33.954,34.154 34.708,34.154 35.094,34.54 36.709,34.54 37.35,33.9 R20.1
TX: ESP1.9 R17.1 | length 3.3
  Top Layer w0.127: R17.1 39.5,25.2 39.68,25.38 ESP1.9
TXB: Q1.1 R17.2 | length 4.1
  Top Layer w0.127: R17.2 36.7,26.4 37.85,27.55 Q1.1
  Top Layer w0.381: R17.2@36.625,25.275 R17.2
TXD: ESP1.34 ESP_DBG.3 | length 7
  Top Layer w0.127: ESP1.34 60.462,30.46 ESP_DBG.3
VCC: C1.1 C14.1 D5.2 ESP1.2 ESP_DBG.1 R1.1 R2.1 R18.2 U5.2 U5.4 | length 99.1
  Top Layer w0.127: D5.2@33.7,35.051 33.956,34.794 38.356,34.794 39.05,34.1 C1.1 R18.2 ; R2.1 R1.1 60.3,22.4 60.1,22.6 60.1,24.8 60.9,25.6 65.78,25.6 65.8,25.58
  Top Layer w0.3: ESP1.2@41.33,34.1 41.43,34.2 ESP1.2 ; 43.3,16 60.816,16 61.15,16.334 61.15,17.75 61.414,18.014 64.668,18.014 65.8,19.146 65.8,25.58 65.8,31.5 65.316,31.984 ESP_DBG.1
  Top Layer w0.5: C14.1@35.425,11.675 C14.1 35.63,11.88 35.63,12.85 36.181,13.4 38.9,13.4 41.5,16 43.3,16 43.3,31.9 44.1,32.7 44.1,33.4 43.3,34.2 ESP1.2@41.43,34.2 ; C1.1 ESP1.2@41.33,34.1
  Top Layer w0.8: U5.4 U5.2 34.7,10.075 35.425,10.8 C14.1@35.425,11.675
VREF1: C3.1 U1.35 | length 3.5
  Top Layer w0.305: U1.35 29.328,19.418 30.086,18.66 C3.1
  Top Layer w0.381: C3.1@29.852,19.044 C3.1
VREF2: C4.1 U1.34 | length 5.8
  Top Layer w0.254: U1.34 28.824,18.918 29.22,18.522 29.22,18.014 29.474,17.76 31.218,17.76 32.118,18.66 C4.1
pads on no net: ESP1.32 U1.3 U1.5 U1.7 U1.9 U1.38 U1.39

## Polygon pours and split planes (outlines as drawn)
BATT_POS on Top Layer "BATT_POS" (solid, remove dead copper, pour order 6): 23.9,47.857 25.8,49.757 30.777,49.757 30.777,51.243 25.8,51.243 23.9,53.143 23.9,55.9 10.1,55.9 8.7,54.5 8.7,46.7 10.3,45.1 12.216,45.1 12.216,37.4 16.483,37.4 16.518,45.1 23.9,45.1
BLDC_POS on Top Layer "BLDC_POS" (solid, remove dead copper, pour order 5): 26.1,54.7 35.8,54.7 36.5,54 36.4,53.9 36.4,46.7 36,46.3 26.1,46.3
SW on Top Layer "SW" (solid, remove dead copper, pour order 0): 47.18,9.088 47.18,10.866 45.148,10.866 44.386,11.628 44.386,13.66 40.068,13.66 39.56,13.152 39.56,7.564 39.814,7.31 43.37,7.31 43.624,7.564 43.624,8.834 43.878,9.088 46.164,9.088
GND on Top Layer "TOP_GND" (solid, remove dead copper, pour order 7): 0,0 0,60 30,60 30,58.27 ccw(c31.27,58.27) 31.27,57 45.73,57 ccw(c45.73,58.27) 47,58.27 47,60 70,60 70,0
GND on Bottom Layer "BOT_GND" (solid, remove dead copper, pour order 4): 0,0 0,60 30,60 30,58.27 ccw(c31.27,58.27) 31.27,57 45.73,57 ccw(c45.73,58.27) 47,58.27 47,60 70,60 70,0

## Silkscreen, mask and mechanical layers (free items; w line width, h text height)
Top Overlay:
  text "BAT+" at 8.355,43.838 h2
  text "BLDC+" at 32.408,43.838 h2
  text "CHR+" at 38.442,43.838 h2
  text "GND" at 45.635,43.838 h2
  text "GND" at 52.609,43.838 h2
  text "GND" at 59.109,43.838 h2
  text "LINK" at 30.598,40.47 h2
  text "-" at 60.097,36.861 h5
  text "+" at 58.78,34.582 h5
  text "PCBv2.0" at 71.8,13.6 h5 r90
  text "+" at 22.082,4.32 h5 r270
  text "-" at 26.297,-0.339 h5
Bottom Overlay:
  text "VCC" at 69.627,31.388 h1.6
  text "RXD" at 69.159,28.848 h1.6
  text "TXD" at 69.08,26.33 h1.6
  text "RESET" at 70.202,23.768 h1.6
  text "BOOT" at 69.759,21.228 h1.6
  text "GND" at 69.759,18.688 h1.6
Outline:
  lines w0.254: 0,0 70,0 70,60 47,60 47,59 47,58.27 cw(c45.73,58.27) 45.73,57 31.27,57 cw(c31.27,58.27) 30,58.27 30,59 30,60 0,60 0,0